# Altium PCB LPC4357_SDRAM_v0.2.PcbDoc (part 3 of 3)
Units mm, origin at the board's own origin, x right, y up, seen from the top; angles counter-clockwise.
Board outline 50 x 50 mm, 4 copper layers (Top Layer, Int1 (GND), Int2 (PWR), Bottom Layer), stack 1.57 mm thick; 90 components, 233 nets, 714 pads, 346 vias.
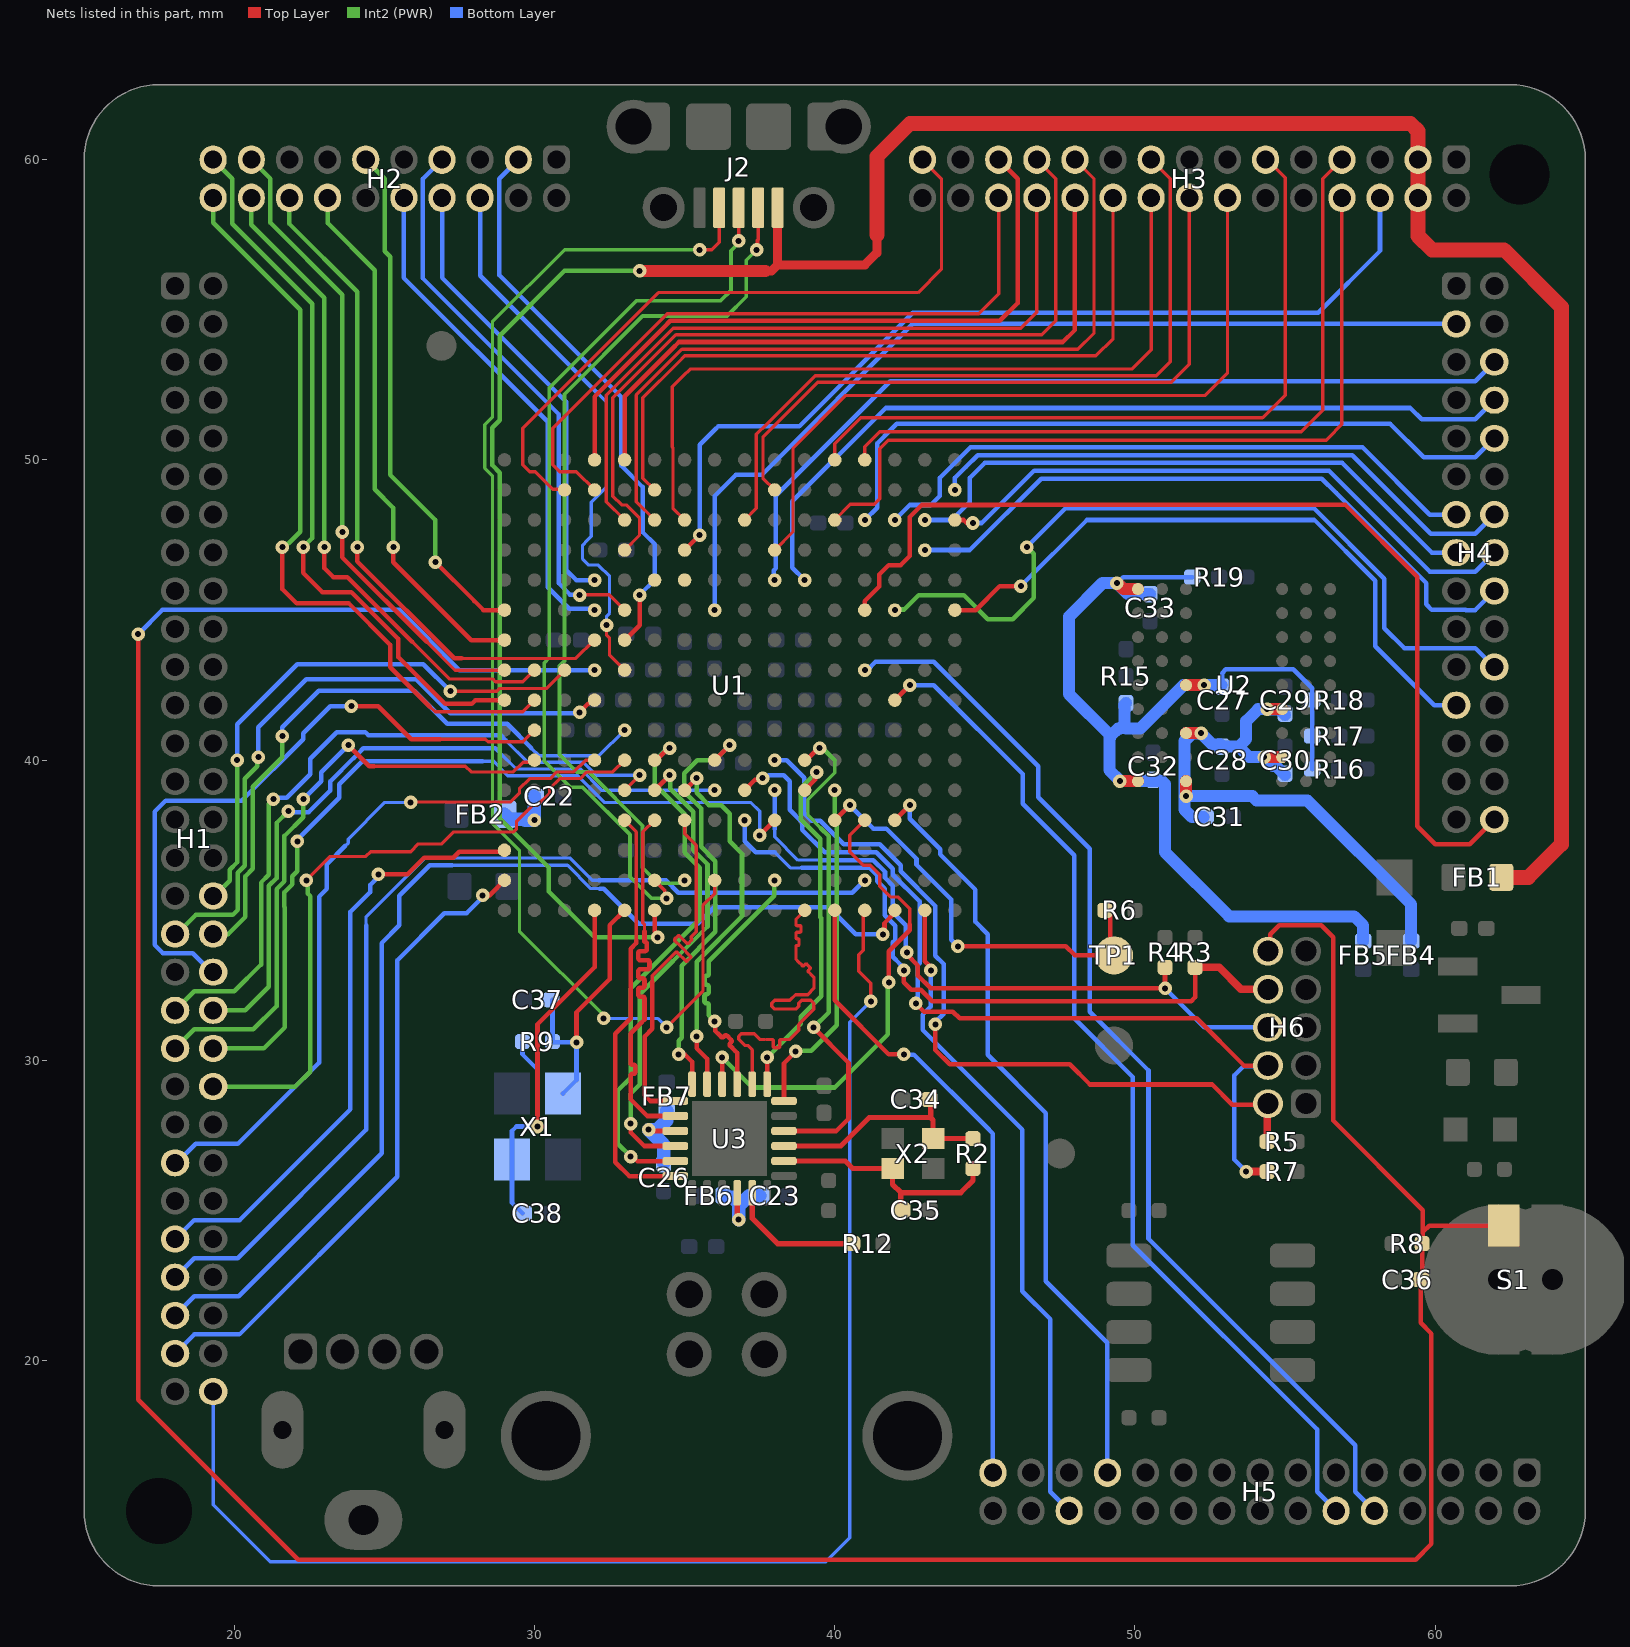
[diagram p5: the nets of this part, all layers, seen from the top]

## Via types
v1: diameter 0.45, hole 0.2, Top Layer to Bottom Layer, tented both sides, 231 vias
v2: diameter 0.45, hole 0.2, Top Layer to Bottom Layer, tented bottom, 68 vias
v3: diameter 0.45, hole 0.2, Top Layer to Bottom Layer, tented top, 27 vias
v4: diameter 0.5, hole 0.25, Top Layer to Bottom Layer, tented both sides, 15 vias
v5: diameter 0.5, hole 0.3, Top Layer to Bottom Layer, tented bottom, 4 vias
v6: diameter 0.45, hole 0.2, Top Layer to Bottom Layer, 1 vias

## Nets (pads, with @x,y where several pads share a name; then routed paths per layer and width w, separated by ;. In a path a pad name is that pad's centre, name@x,y a point inside that pad or via, vN(x,y) a via of type N, cw(c..) or ccw(c..) an arc to the next point about the centre after c; other vN are vias at no path point) (continued)
P7_7: H1.41 U1.B6 | length 20.4
  Top Layer w0.11: 24.67,39.8 27.701,39.8 27.891,39.61 29.299,39.61 29.624,39.935 29.935,39.935 U1.B6@30,40
  Top Layer w0.15: v1(23.8,40.5) 24.5,39.8 24.67,39.8
  Int2 (PWR) w0.15: H1.41@18.03,30.4 18.665,31.035 20.635,31.035 21.413,31.813 21.413,35.709 21.673,35.969 21.673,37.477 22.3,38.104 v1(22.3,38.7)
  Bottom Layer w0.15: v1(22.3,38.7) 22.9,39.3 22.9,39.6 v1(23.8,40.5)
P8_0: H1.39 U1.E5 | length 23.9
  Top Layer w0.11: U1.E5@33,39 v1(33.5,39.5)
  Int2 (PWR) w0.15: H1.39@18.03,31.67 18.665,32.305 20.005,32.305 20.893,33.193 20.893,35.924 21.15,36.181 21.15,38.55 v1(21.3,38.7)
  Bottom Layer w0.11: 29.035,40.665 29.773,39.927 31.629,39.927 32.056,39.5 v1(33.5,39.5)
  Bottom Layer w0.15: v1(21.3,38.7) 21.354,38.754 21.75,38.754 22.53,39.534 22.53,40.046 23.411,40.927 24.369,40.927 24.469,40.827 28.873,40.827 29.035,40.665
P8_1: H1.40 U1.H5 | length 24.1
  Int2 (PWR) w0.15: H1.40@19.3,31.67 20.37,31.67 21.153,32.453 21.153,35.817 21.41,36.073 21.41,37.91 v1(21.8,38.3)
  Bottom Layer w0.11: 28.846,40.254 29.393,39.707 31.538,39.707 32.245,39 v2(36,39)
  Bottom Layer w0.15: v1(21.8,38.3) 21.827,38.273 22.477,38.273 23.193,38.989 23.193,39.293 23.973,40.073 23.977,40.073 24.227,40.323 24.227,40.327 24.3,40.4 28.7,40.4 28.846,40.254
P8_2: H1.42 U1.K4 | length 28
  Top Layer w0.152: v1(37.5,37.5) U1.K4@38,38
  Int2 (PWR) w0.15: H1.42@19.3,30.4 20.982,30.4 21.69,31.108 21.69,35.106 21.673,35.123 21.673,35.601 21.933,35.861 21.933,36.137 22.1,36.304 v1(22.1,37.3)
  Bottom Layer w0.11: 28.281,39.96 28.64,39.96 29.113,39.487 31.447,39.487 32.345,38.589 37.211,38.589 37.5,38.3 v1(37.5,37.5)
  Bottom Layer w0.15: v1(22.1,37.3) 22.1,37.352 23.5,38.752 23.5,39.2 24.26,39.96 28.281,39.96
PA_0: H4.8 U1.L12 | length 27.9
  Bottom Layer w0.15: 59.545,51.355 61.335,51.355 H4.8@61.97,51.99
  Bottom Layer w0.152: v2(39,46) 38.589,46.411 38.589,48.618 41.699,51.729 59.171,51.729 59.545,51.355
PA_1: H3.17 U1.J14 | length 24.8
  Top Layer w0.11: U1.J14@37,48 37.39,48.39 37.39,50.853 37.747,51.21 39.345,52.808 50.708,52.808 51.175,53.275 51.175,59.365 H3.17@50.54,60
PA_2: H3.16 U1.K15 | length 22.7
  Top Layer w0.11: U1.K15@38,49 37.61,49.39 37.61,50.762 39.436,52.588 51.208,52.588 51.81,53.19 H3.16@51.81,58.73
PA_3: H4.3 U1.H11 | length 30.9
  Bottom Layer w0.152: v2(36,45) 36,48.8 36.7,49.5 37.569,49.5 42.599,54.53 H4.3@60.7,54.53
PA_4: H3.6 U1.G13 | length 30.8
  Top Layer w0.152: U1.G13@35,47 v1(35.5,47.5)
  Bottom Layer w0.15: 36.038,51.038 36.114,51.114 38.814,51.114 42.6,54.9 56.1,54.9 58.16,56.96 H3.6@58.16,58.73
  Bottom Layer w0.152: v1(35.5,47.5) 35.5,50.5 36.038,51.038
PC_13: H5.29 U1.M1 | length 21.4
  Top Layer w0.152: U1.M1@40,35 40,32.587 40,32 41.8,30.2 v1(42.3,30.2)
  Bottom Layer w0.15: 45.042,27.788 45.27,27.559 H5.29@45.27,16.27
  Bottom Layer w0.152: v1(42.3,30.2) 42.304,30.196 42.633,30.196 45.042,27.788
PC_14: H1.60 U1.N1 | length 47.5
  Top Layer w0.11: U1.N1@41,35 40.948,34.948 40.948,33.672 40.8,33.524 40.8,32.975 41.2,32.575 v1(41.2,31.971)
  Bottom Layer w0.11: H1.60@19.3,18.97 19.3,15.2 21.2,13.3 39.7,13.3 40.5,14.1 40.5,31.271 v1(41.2,31.971)
PD_0: H1.53 U1.N2 | length 33.6
  Bottom Layer w0.11: 24.39,34.501 24.39,34.79 26.34,36.74 31.186,36.74 31.926,36 32.148,36
  Bottom Layer w0.15: H1.53@18.03,22.78 18.665,23.415 20.115,23.415 24.39,27.69 24.39,34.501
  Bottom Layer w0.152: 32.148,36 34.381,36 34.792,35.589 40.589,35.589 v2(41,36)
PD_1: H1.55 U1.P1 | length 36.8
  Top Layer w0.152: v1(41.6,34.2) 41.657,34.257 41.657,34.576 42,34.919 U1.P1@42,35
  Bottom Layer w0.11: 27.267,36.5 31.1,36.5 31.876,35.724 32.179,35.724
  Bottom Layer w0.15: H1.55@18.03,21.51 18.665,22.145 20.145,22.145 24.91,26.91 24.91,33.91 25.5,34.5 25.5,35.486 26.514,36.5 27.267,36.5
  Bottom Layer w0.152: 32.179,35.724 32.305,35.724 33.478,34.551 35.44,34.551 35.989,35.1 39.8,35.1 40.7,34.2 v1(41.6,34.2)
PD_2: H5.26 U1.R1 | length 22.2
  Top Layer w0.15: U1.R1@43,35 43,33.3 43.143,33.157 43.143,33.057 v1(43.2,33)
  Bottom Layer w0.15: v1(43.2,33) 43.2,31.796 42.924,31.52 42.924,31.023 46.249,27.699 46.249,22.315 47.175,21.388 47.175,15.635 H5.26@47.81,15
PD_3: H5.23 U1.P4 | length 25.7
  Top Layer w0.152: U1.P4@42,38 v1(42.5,38.5) v1@42.5,38.55
  Bottom Layer w0.152: v1(42.5,38.5) 42.5,38.049 43.509,37.039 43.509,36.861 44.686,35.685 44.686,34.614 45.092,34.208 45.092,30.188 47.032,28.248 47.032,22.649 49.08,20.601 H5.23@49.08,16.27
PD_8: H5.12 U1.P8 | length 34.6
  Top Layer w0.152: U1.P8@42,42 v1(42.5,42.5) 42.5,42.55 v1@42.512,42.537
  Bottom Layer w0.15: 49.926,23.848 56.065,17.709 56.065,15.635 H5.12@56.7,15
  Bottom Layer w0.152: v1(42.5,42.5) 43.3,42.5 46.259,39.541 46.259,38.546 47.972,36.833 47.972,31.402 49.926,29.448 49.926,23.848
PD_9: H4.23 U1.T11 | length 21.9
  Top Layer w0.152: U1.T11@44,45 44.7,45 45.5,45.8 46.1,45.8 46.2,45.9 v1(46.2,45.8)
  Bottom Layer w0.15: 59.97,41.83 H4.23@60.7,41.83
  Bottom Layer w0.152: v1(46.2,45.8) 48.4,48 55.977,48 58,45.977 58,43.8 59.97,41.83
PD_10: H4.22 U1.P11 | length 26.6
  Int2 (PWR) w0.152: v2(42,45) 42,44.929 42.089,45.018 42.318,45.018 42.8,45.5 44.3,45.5 45.1,44.7 45.924,44.7 46.628,45.404 46.628,46.872 v1(46.4,47.1)
  Bottom Layer w0.15: 58.3,44.4 58.965,43.735 61.335,43.735 H4.22@61.97,43.1
  Bottom Layer w0.152: v1(46.4,47.1) 47.7,48.4 55.948,48.4 58.3,46.048 58.3,44.4
PD_11: H5.10 U1.N9 | length 36.8
  Bottom Layer w0.15: 50.451,24.065 57.335,17.181 57.335,15.635 H5.10@57.97,15
  Bottom Layer w0.152: v2(41,43) 41.081,43 41.358,43.277 43.302,43.277 46.784,39.795 46.784,38.763 48.497,37.05 48.497,31.619 50.451,29.665 50.451,24.065
PD_12: H4.30 U1.N11 | length 33.5
  Top Layer w0.15: 45.304,48.5 57.01,48.5 59.4,46.11 59.4,37.8 60,37.2 61.15,37.2 H4.30@61.97,38.02
  Top Layer w0.152: U1.N11@41,45 41,45.3 41.485,45.785 41.485,46.185 41.8,46.5 42.2,46.5 42.5,46.8 42.5,48.1 42.9,48.5 45.304,48.5
PD_13: H4.16 U1.T14 | length 20.4
  Top Layer w0.152: U1.T14@44,48 44.3,48 44.4,47.9 v1(44.6,47.9)
  Bottom Layer w0.15: 59.825,46.275 61.335,46.275 H4.16@61.97,46.91
  Bottom Layer w0.152: v1(44.6,47.9) 44.9,47.9 46.638,49.638 56.462,49.638 59.825,46.275
PD_14: H4.18 U1.R13 | length 22.4
  Bottom Layer w0.15: 56.7,48.9 59.7,45.9 59.7,45.193 59.888,45.005 61.013,45.005 61.018,45 61.33,45 H4.18@61.97,45.64
  Bottom Layer w0.152: v2(43,47) 44.5,47 46.876,49.376 56.224,49.376 56.7,48.9
PD_15: H4.14 U1.T15 | length 20
  Bottom Layer w0.15: 44.363,49.763 44.761,50.161 57.239,50.161 59.855,47.545 61.335,47.545 H4.14@61.97,48.18
  Bottom Layer w0.152: v2(44,49) 44,49.4 44.363,49.763
PD_16: H4.15 U1.R14 | length 20.2
  Bottom Layer w0.152: v2(43,48) 43.9,48 44.5,48.6 44.5,49.4 45,49.9 56.9,49.9 59.89,46.91 H4.15@60.7,46.91
PE_0: H4.13 U1.P14 | length 21
  Bottom Layer w0.152: v2(42,48) 42.5,48.5 43.2,48.5 43.5,48.8 43.5,49.4 44.522,50.422 57.578,50.422 59.82,48.18 H4.13@60.7,48.18
PE_1: H4.10 U1.N14 | length 24.3
  Bottom Layer w0.15: 41.881,51.019 42.067,51.205 58.495,51.205 59.615,50.085 61.335,50.085 H4.10@61.97,50.72
  Bottom Layer w0.152: v2(41,48) 41.411,48.411 41.411,50.549 41.881,51.019
PE_2: H3.8 U1.M14 | length 26.7
  Top Layer w0.11: U1.M14@40,48 40.521,48.521 41.321,48.521 41.5,48.7 41.5,50.37 41.782,50.652 56.366,50.652 56.43,50.716 56.43,50.73 56.89,51.19 H3.8@56.89,58.73
PE_3: H4.6 U1.K12 | length 28.6
  Bottom Layer w0.15: 41.165,51.935 41.854,52.625 61.335,52.625 H4.6@61.97,53.26
  Bottom Layer w0.152: v2(38,46) 37.976,46.024 37.976,46.324 38.038,46.386 38.038,48.809 41.165,51.935
PE_4: H3.14 U1.K13 | length 25
  Top Layer w0.11: U1.K13@38,47 38.61,47.61 38.61,50.393 40.365,52.148 52.348,52.148 53.08,52.88 H3.14@53.08,58.73
PE_5: H3.7 U1.N16 | length 24.8
  Top Layer w0.11: U1.N16@41,50 41,50.439 41.496,50.935 55.535,50.935 56.255,51.655 56.255,59.365 H3.7@56.89,60
PE_6: H3.11 U1.M16 | length 24.3
  Top Layer w0.11: U1.M16@40,50 40,50.536 40.87,51.406 54.249,51.406 55,52.157 55,59.4 54.4,60 H3.11@54.35,60
PE_7: H3.20 U1.F15 | length 24.4
  Top Layer w0.11: U1.F15@34,49 33.61,49.39 33.61,52.075 34.78,53.245 35.003,53.468 48.7,53.468 49.27,54.038 H3.20@49.27,58.73
PE_8: H3.21 U1.F14 | length 26.6
  Top Layer w0.11: U1.F14@34,48 33.39,48.61 33.39,52.166 34.689,53.465 34.912,53.688 48.1,53.688 48.635,54.223 48.635,59.365 H3.21@48,60
PE_9: H3.22 U1.E16 | length 22.4
  Top Layer w0.152: U1.E16@33,50 33,52.117 34.589,53.706 34.812,53.929 47.6,53.929 48,54.329 H3.22@48,58.73
PE_10: H3.24 U1.E14 | length 23.7
  Top Layer w0.11: U1.E14@33,48 32.39,48.61 32.39,52.159 34.398,54.167 34.621,54.39 45.6,54.39 46.2,54.39 46.73,54.92 H3.24@46.73,58.73
PE_11: H3.25 U1.D16 | length 22.5
  Top Layer w0.15: H3.25@45.46,60 46.095,59.365 46.095,55.226 45.5,54.631
  Top Layer w0.152: U1.D16@32,50 32,52.11 34.298,54.408 34.521,54.631 45.5,54.631
PE_12: H3.26 U1.D15 | length 22.9
  Top Layer w0.11: U1.D15@32,49 31.39,49.61 30.838,49.61 30.61,49.838 30.61,51.062 31.759,52.21 34.198,54.649 34.421,54.872 44.8,54.872 45.46,55.532 H3.26@45.46,58.73
PE_13: H3.18 U1.G14 | length 26.1
  Top Layer w0.11: U1.G14@35,48 34.61,48.39 34.61,50.413 34.593,50.43 34.593,52.436 34.962,52.805 35.185,53.028 49.9,53.028 50.54,53.668 H3.18@50.54,58.73
PE_14: H3.29 U1.C15 | length 23
  Top Layer w0.11: U1.C15@31,49 30.979,49.021 30.61,49.021 30.021,49.61 29.838,49.61 29.61,49.838 29.61,51.055 29.759,51.204 33.907,55.352 34.13,55.575 34.205,55.575 42.775,55.575 43.555,56.355 43.555,59.365 H3.29@42.92,60
PE_15: H3.23 U1.E13 | length 27.2
  Top Layer w0.11: U1.E13@33,47 33.5,47.5 33.5,48.052 33.052,48.5 32.9,48.5 32.61,48.79 32.61,52.068 34.489,53.947 34.712,54.17 45.691,54.17 46.9,54.17 47.365,54.635 47.365,59.365 H3.23@46.73,60
PF_0: H2.8 U1.D12 | length 15.2
  Bottom Layer w0.15: H2.8@26.92,58.73 26.92,56.07 31.06,51.93 31.06,46.328 31.388,46 v2(32,46)
PF_1: H2.7 U1.E11 | length 18.8
  Top Layer w0.11: v1(31.5,45.5) 31.507,45.507 32.493,45.507 U1.E11@33,45
  Bottom Layer w0.15: H2.7@26.92,60 26.285,59.365 26.285,56.045 30.8,51.53 30.8,45.9 31.182,45.518 31.482,45.518 v1(31.5,45.5)
PF_2: H2.10 U1.D11 | length 16.9
  Bottom Layer w0.15: H2.10@25.65,58.73 25.65,56.06 30.44,51.27 30.44,45.76 31.157,45.043 32.043,45.043 v2(32,45)
PF_3: H2.3 U1.E10 | length 18.8
  Top Layer w0.152: U1.E10@33,44 33.5,44.5 v1(33.5,45.5)
  Bottom Layer w0.15: H2.3@29.46,60 28.825,59.365 28.825,56.159 32.897,52.087 32.897,49.803 33.6,49.1 33.6,47.6 34,47.2 34,46 v1(33.5,45.5)
PF_4: H2.16 U1.D10 | length 22.5
  Top Layer w0.11: 27.571,43.39 28.1,43.39 31.378,43.39 31.988,44 U1.D10@32,44
  Top Layer w0.15: v1(24.1,47.1) 24.1,46.62 27.33,43.39 27.571,43.39
  Int2 (PWR) w0.15: H2.16@21.84,58.73 21.84,57.86 24.1,55.6 v1(24.1,47.1)
PF_5: H2.6 U1.E9 | length 18.6
  Top Layer w0.11: v1@32.4,44.408 32.4,44.166 32.5,44.066 32.5,43.5 U1.E9@33,43
  Bottom Layer w0.11: 32.05,52.274 32.4,51.924 32.4,49.1 31.89,48.59 31.89,47.453 31.765,47.328 31.6,47.163 31.6,46.7 31.8,46.5 32.129,46.5 32.5,46.129 32.5,44.9 32.4,44.8 v1(32.4,44.5)
  Bottom Layer w0.15: H2.6@28.19,58.73 28.19,56.134 32.05,52.274
PF_6: H1.36 U1.E7 | length 21.3
  Int2 (PWR) w0.15: H1.36@19.3,34.21 19.8,34.21 20.373,34.783 20.373,36.14 20.613,36.38 20.613,39.113 21.6,40.1 v1(21.6,40.8)
  Bottom Layer w0.11: 29.899,40.401 30.153,40.147 32.147,40.147 v2(33,41)
  Bottom Layer w0.15: v1(21.6,40.8) 21.6,41.1 22.81,42.31 26,42.31 27.1,41.21 29.09,41.21 29.899,40.401
PF_7: H1.38 U1.B7 | length 21.6
  Top Layer w0.11: 26.86,40.7 28.362,40.7 28.452,40.61 29.61,40.61 U1.B7@30,41
  Top Layer w0.15: v1(23.9,41.8) 24.8,41.8 25.9,40.7 26.86,40.7
  Bottom Layer w0.15: H1.38@19.3,32.94 19.25,32.94 18.615,33.575 17.625,33.575 17.345,33.855 17.345,38.283 17.717,38.655 20.255,38.655 22.3,40.7 22.3,40.9 23.2,41.8 v1(23.9,41.8)
PF_8: H1.44 U1.E6 | length 22.4
  Top Layer w0.11: v1(22.4,36) 23.193,36.793 24.382,36.793 24.542,36.953 25.875,36.953 26.132,37.21 26.91,37.21 27.31,37.61 29.31,37.61 29.4,37.7 29.4,37.952 29.948,38.5 30.1,38.5 30.5,38.9 30.5,39.052 30.838,39.39 31.527,39.39 31.747,39.61 32.61,39.61 U1.E6@33,40
  Int2 (PWR) w0.15: H1.44@19.3,29.13 22.03,29.13 22.527,29.627 22.527,35.477 22.454,35.55 22.454,35.946 v1(22.4,36)
PF_9: H1.47 U1.D6 | length 23.4
  Top Layer w0.11: v1(25.871,38.593) 25.888,38.61 29.21,38.61 29.5,38.9 29.5,39.052 29.838,39.39 30.527,39.39 30.747,39.61 31.31,39.61 31.7,40 U1.D6@32,40
  Bottom Layer w0.11: 23.7,37.148 23.793,37.241 23.793,37.369 25.017,38.593 v1(25.871,38.593)
  Bottom Layer w0.15: H1.47@18.03,26.59 18.08,26.59 18.715,27.225 20.125,27.225 22.83,29.93 22.83,35.458 23.087,35.715 23.087,36.535 23.7,37.148
PF_10: H1.51 U1.A3 | length 20.4
  Top Layer w0.15: v1(24.8,36.2) 25.773,36.2 26.323,36.75 27.291,36.75 27.491,36.95 28.95,36.95 U1.A3@29,37
  Bottom Layer w0.15: H1.51@18.03,24.05 18.665,24.685 20.185,24.685 23.87,28.37 23.87,34.952 24.527,35.609 24.527,35.846 24.782,36.101 v1@24.782,36.2
PF_11: H1.57 U1.A2 | length 21.7
  Top Layer w0.15: v1@28.269,35.431 28.326,35.489 28.489,35.489 U1.A2@29,36
  Bottom Layer w0.15: H1.57@18.03,20.24 18.665,20.875 20.175,20.875 25.43,26.13 25.43,33.33 27,34.9 27.738,34.9 v1@28.269,35.431
  other v1: 28.269,35.5
REFCLK: C34.1 R2.2 U3.21 X2.3 | length 7.9
  Top Layer w0.178: U3.21@38.31,27.15 40.2,27.15 41.15,28.1 43.192,28.1 43.203,28.089 ; C34.1@43.203,28.7 43.203,28.089 ; R2.2@44.603,27.4 X2.3@43.275,27.4 43.275,28.017 43.203,28.089
RESET: C36.1 H6.10 R8.1 S1.2 U1.D9 | length 114.8
  Top Layer w0.15: v1(16.8,44.2) 16.8,18.7 22.127,13.373 59.348,13.373 59.875,13.9 59.875,20.9 59.515,21.26 C36.1@59.515,22.7 ; H6.10@54.43,33.64 54.46,33.64 54.5,33.6 54.5,34.2 54.8,34.5 56.2,34.5 56.6,34.1 56.6,28 59.589,25.011 59.589,24.289
  Top Layer w0.152: C36.1@59.565,22.7 R8.1@59.565,23.9 59.589,23.924 59.589,24.289 59.8,24.5 S1.2@62.275,24.5
  Bottom Layer w0.15: v1(16.8,44.2) 17.605,45.005 21.8,45.005
  Bottom Layer w0.152: 21.8,45.005 25.495,45.005 27.5,43 v2(32,43)
RTC_ALARM: H2.11 U1.A11 | length 17.3
  Top Layer w0.15: v1(26.7,46.6) 28,45.3 28.3,45 U1.A11@29,45
  Int2 (PWR) w0.15: H2.11@24.38,60 25.015,59.365 25.015,56.953 25.2,56.768 25.2,49.5 26.7,48 v1(26.7,46.6)
RTCX1: H2.19 U1.A8 | length 24.2
  Top Layer w0.15: v1(22.3,47.1) 22.3,46.236 22.936,45.6 23.9,45.6 25.462,44.038 25.462,43.434 27.023,41.873 27.907,41.873 28.034,42 28.1,42 U1.A8@29,42
  Int2 (PWR) w0.15: H2.19@19.3,60 19.935,59.365 19.935,57.865 22.6,55.2 22.6,47.4 v1(22.3,47.1)
RTCX2: H2.20 U1.B8 | length 25.2
  Top Layer w0.11: 26.516,41.784 26.69,41.61 28.1,41.61 29.61,41.61 U1.B8@30,42
  Top Layer w0.15: v1(21.6,47.1) 21.6,45.7 22.08,45.22 23.82,45.22 25.2,43.839 25.2,43.1 26.516,41.784
  Int2 (PWR) w0.15: H2.20@19.3,58.73 19.3,57.9 22.2,55 22.2,47.604 21.816,47.22 21.801,47.22 21.681,47.1 v1(21.6,47.1)
SAMPLE: H2.18 U1.B9 | length 22.1
  Top Layer w0.11: 25.93,43.937 27.161,42.707 28.603,42.707 28.7,42.61 29.61,42.61 U1.B9@30,43
  Top Layer w0.15: v1(23,47.1) 23,46.4 23.3,46.1 23.768,46.1 25.93,43.937
  Int2 (PWR) w0.15: H2.18@20.57,58.73 20.57,57.83 23,55.4 v1(23,47.1)
TCK: H6.4 R7.2 U1.J5 | length 30
  Top Layer w0.152: U1.J5@37,39 37.343,39.343 37.543,39.343 v1(37.6,39.4) ; v1(42.7,31.9) 42.972,31.628 43.93,31.628 44.158,31.4 52.06,31.4 53.63,29.83 H6.4@54.43,29.83
  Top Layer w0.254: v1(53.7,26.3) R7.2@54.4,26.3
  Bottom Layer w0.152: v1(37.6,39.4) 37.68,39.4 37.781,39.5 38.3,39.5 38.5,39.3 38.5,38.347 38.911,37.936 38.911,37.689 39.664,36.936 41.388,36.936 41.936,36.388 41.936,36.188 42.828,35.295 42.828,33.234 42.772,33.177 42.772,32.138 42.757,32.123 42.757,31.957 v1(42.7,31.9) ; v1(53.7,26.3) 53.3,26.7 53.3,29.5 53.6,29.8 54.4,29.8 H6.4@54.43,29.83
TDI: H6.8 R3.1 U1.J4 | length 23.3
  Top Layer w0.152: v1(42.3,33) 42.3,32.6 42.544,32.356 42.867,32.356 43.251,31.972 51.872,31.972 52,32.1 R3.1@52,33.1
  Top Layer w0.254: R3.1@52,33.1 52.8,33.1 53.53,32.37 H6.8@54.43,32.37
  Bottom Layer w0.11: 38,36.935 38.524,36.411 38.9,36.411
  Bottom Layer w0.152: v2(37,38) 37,37.3 37.365,36.935 38,36.935 ; 38.9,36.411 41.17,36.411 41.411,36.17 41.411,35.97 41.667,35.715 41.667,34.833 42.011,34.489 42.011,34.008 41.934,33.931 41.934,33.451 42.174,33.211 42.174,33.206 42.3,33.081 v1(42.3,33)
TDO: H6.6 R4.1 U1.K5 | length 22.6
  Top Layer w0.152: v1(42.4,33.6) 42.4,33.531 42.772,33.159 42.772,32.823 43.194,32.4 v1(51,32.4) R4.1@51,33.1
  Bottom Layer w0.11: 38,37.7 38,37.448 38.775,36.674 39.6,36.674
  Bottom Layer w0.152: 38,37.7 v2@38,38.9 ; 39.6,36.674 41.279,36.674 41.674,36.279 41.674,36.079 41.929,35.823 41.929,34.942 42.362,34.509 42.362,34 42.362,33.637 v1(42.4,33.6) ; v1(51,32.4) 52.3,31.1 H6.6@54.43,31.1
  other v2: 38,39
TMS: H6.2 R5.1 U1.K6 | length 26.3
  Top Layer w0.152: v1(43.351,31.2) 43.351,30.349 43.826,29.874 47.826,29.874 48.5,29.2 52.572,29.2 53.242,28.53 54.4,28.53 H6.2@54.43,28.56
  Top Layer w0.254: R5.1@54.4,27.3 H6.2@54.4,28.53
  Bottom Layer w0.152: v2(38,40) 38.4,40 38.989,39.411 38.989,38.23 39.23,37.989 39.511,37.989 40.302,37.198 41.496,37.198 42.198,36.496 42.198,36.296 43.351,35.144 43.351,33.489 43.628,33.212 43.628,31.558 43.351,31.281 v1(43.351,31.2)
TRST: R6.1 TP1.1 U1.M4 | length 14.1
  Top Layer w0.152: U1.M4@40,38 v1(40.5,38.5) ; v1(44.1,33.8) 47.7,33.8 48,33.5 TP1.1@49.3,33.5 49.174,33.626 49.174,34.826 R6.1@49,35
  Bottom Layer w0.152: v1(40.5,38.5) 41.277,37.723 41.714,37.723 42.723,36.714 42.723,36.514 43.876,35.361 43.876,34.024 v1(44.1,33.8)
ULPI_CLKOUT: U1.L1 U3.2 | length 12.6
  Top Layer w0.11: U3.2@37.25,29.21 37.25,30.35 37.1,30.5 37,30.5 36.8,30.7 36.8,30.8 36.885,30.885 37.315,30.885 37.5,30.7 37.665,30.7 ; 37.73,30.7 37.906,30.7 cw(c37.906,30.656) 37.95,30.656 37.95,30.47 ccw(c37.994,30.47) 37.994,30.426 38.126,30.426 ccw(c38.126,30.47) 38.17,30.47 38.17,30.656 cw(c38.214,30.656) 38.214,30.7 38.39,30.7 38.5,30.7 38.567,30.767 38.722,30.922 38.8,31 38.8,31.194 ; 38.8,31.097 38.8,31.194 ; U1.L1@39,35 38.71,34.71 38.71,34.6 38.71,34.534 ccw(c38.754,34.534) 38.754,34.49 38.832,34.49 cw(c38.832,34.446) 38.876,34.446 38.876,34.314 cw(c38.832,34.314) 38.832,34.27 38.754,34.27 ccw(c38.754,34.226) 38.71,34.226 38.71,34.094 ccw(c38.754,34.094) 38.754,34.05 38.766,34.05 cw(c38.766,34.006) 38.81,34.006 38.81,33.874 cw(c38.766,33.874) 38.766,33.83 38.74,33.83 ccw(c38.74,33.8) 38.71,33.8 38.71,33.776 38.71,33.6 38.71,33.49 38.71,33.366 38.788,33.288 38.912,33.163 ccw(c38.943,33.194) 38.974,33.163 39.013,33.202 cw(c39.044,33.171) 39.076,33.202 39.169,33.109 cw(c39.138,33.078) 39.169,33.047 39.13,33.008 ccw(c39.161,32.977) 39.13,32.946 39.254,32.821 39.307,32.769 39.307,32.7 39.307,32.4 39.1,32.193 38.693,32.193 38.5,32 38,32 37.9,31.9 37.9,31.8 37.985,31.715 38.715,31.715 38.8,31.8 38.8,31.9 38.9,32 39.2,32 39.3,31.9 39.3,31.7 38.8,31.2 38.8,31.194